# Altium PCB PCB3.PcbDoc (part 1 of 8)
Units mil, origin at the board's own origin, x right, y up, seen from the top; angles counter-clockwise.
Board outline 4763.78 x 6574.87 mil, 6 copper layers (Top Layer, GND, ADDR, DATA, VCC, Bottom Layer), stack 77.691 mil thick; 402 components, 418 nets, 1809 pads, 1202 vias.
Unrouted connection lines stored in the file: 117.
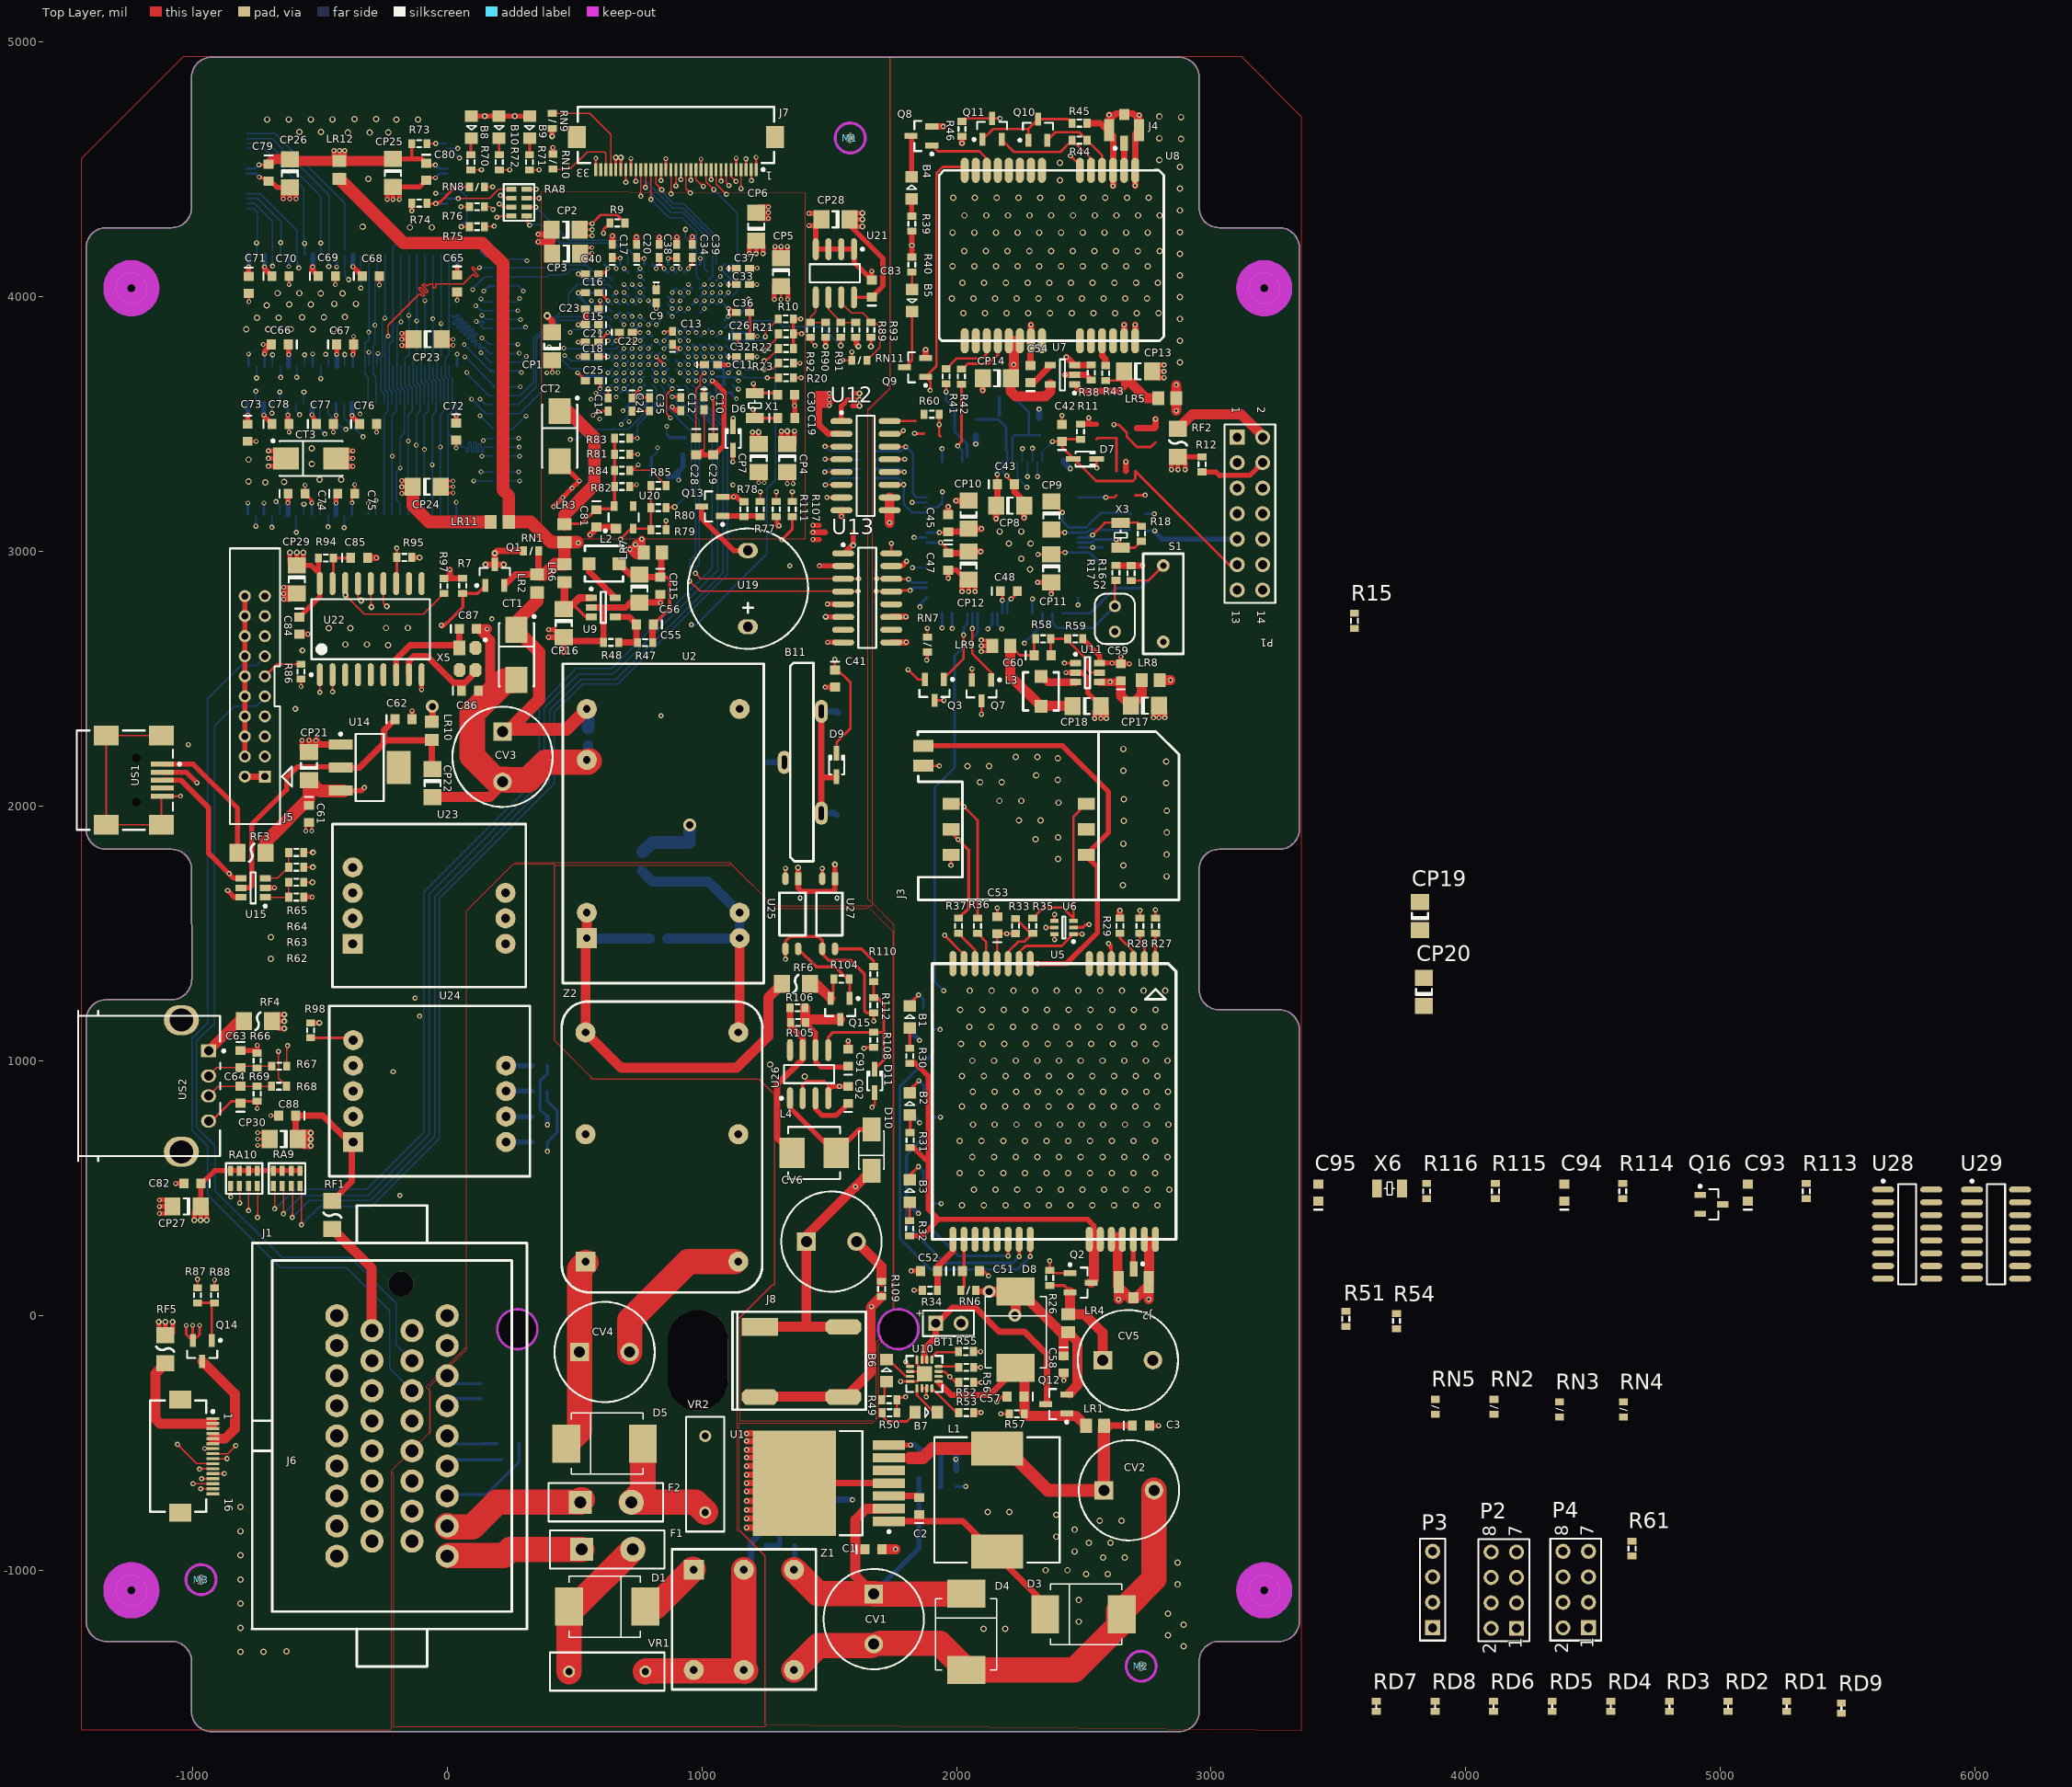
[diagram p0: Top Layer view]
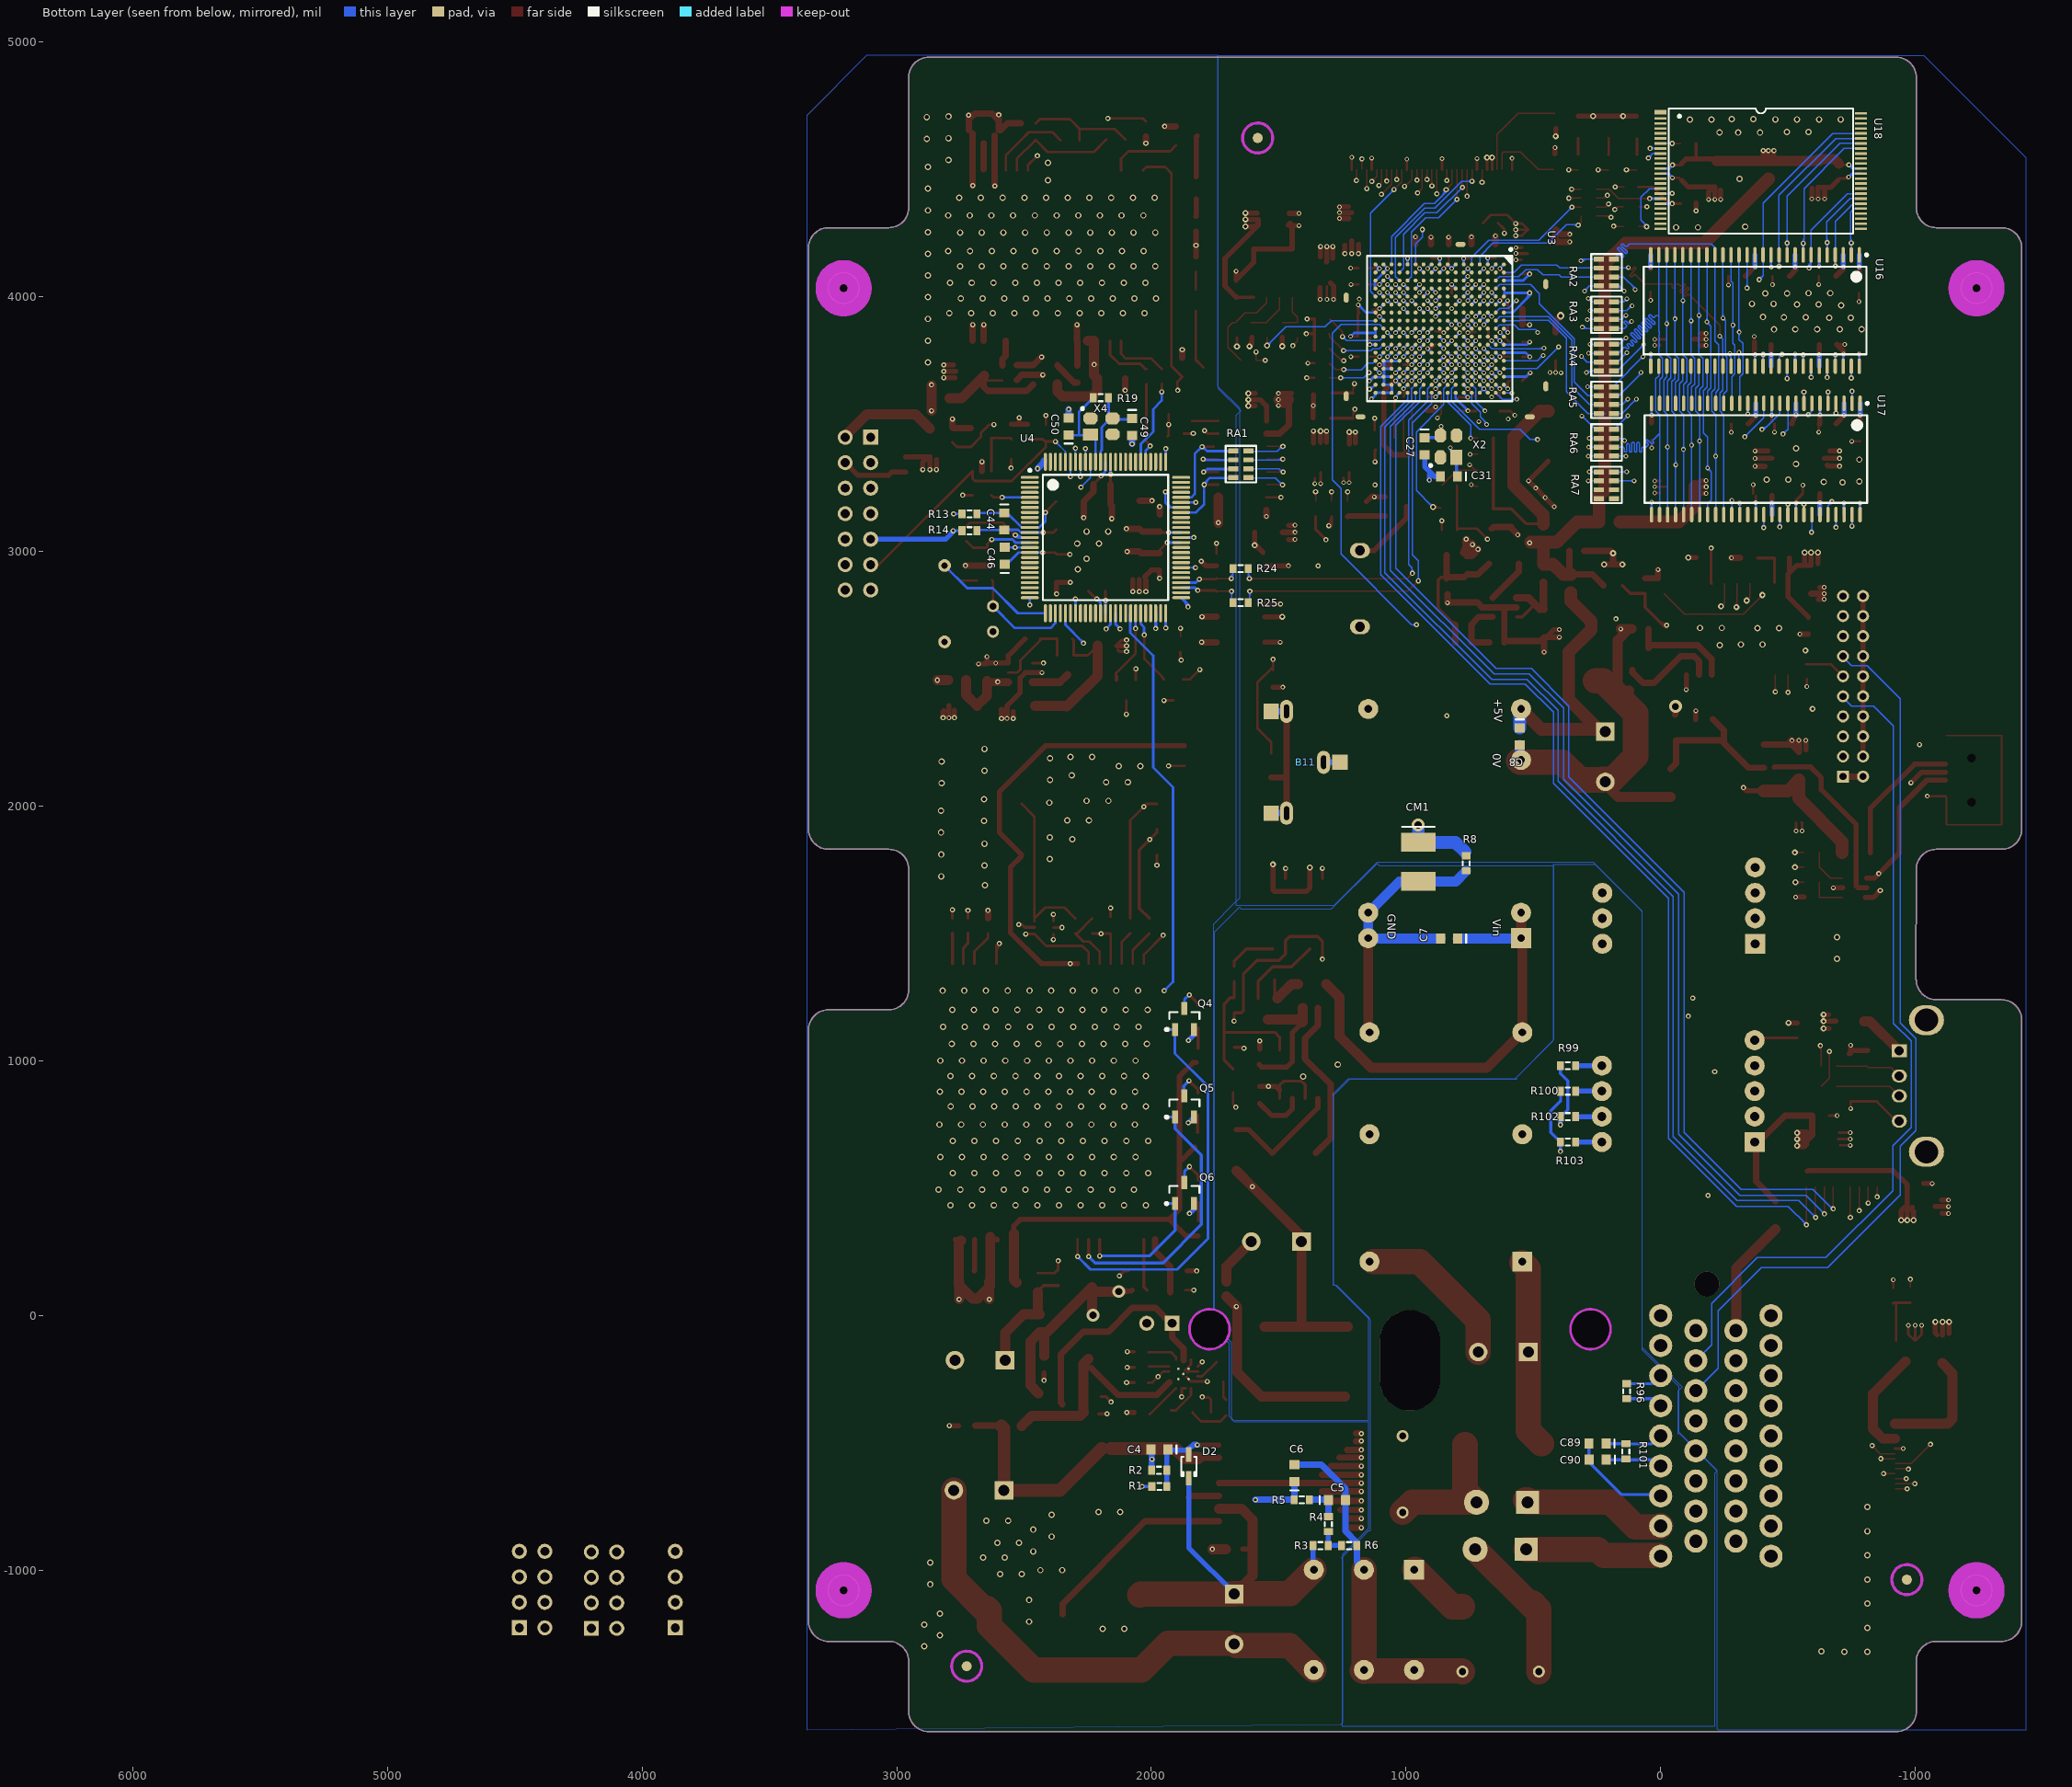
[diagram p1: Bottom Layer view, seen from below]
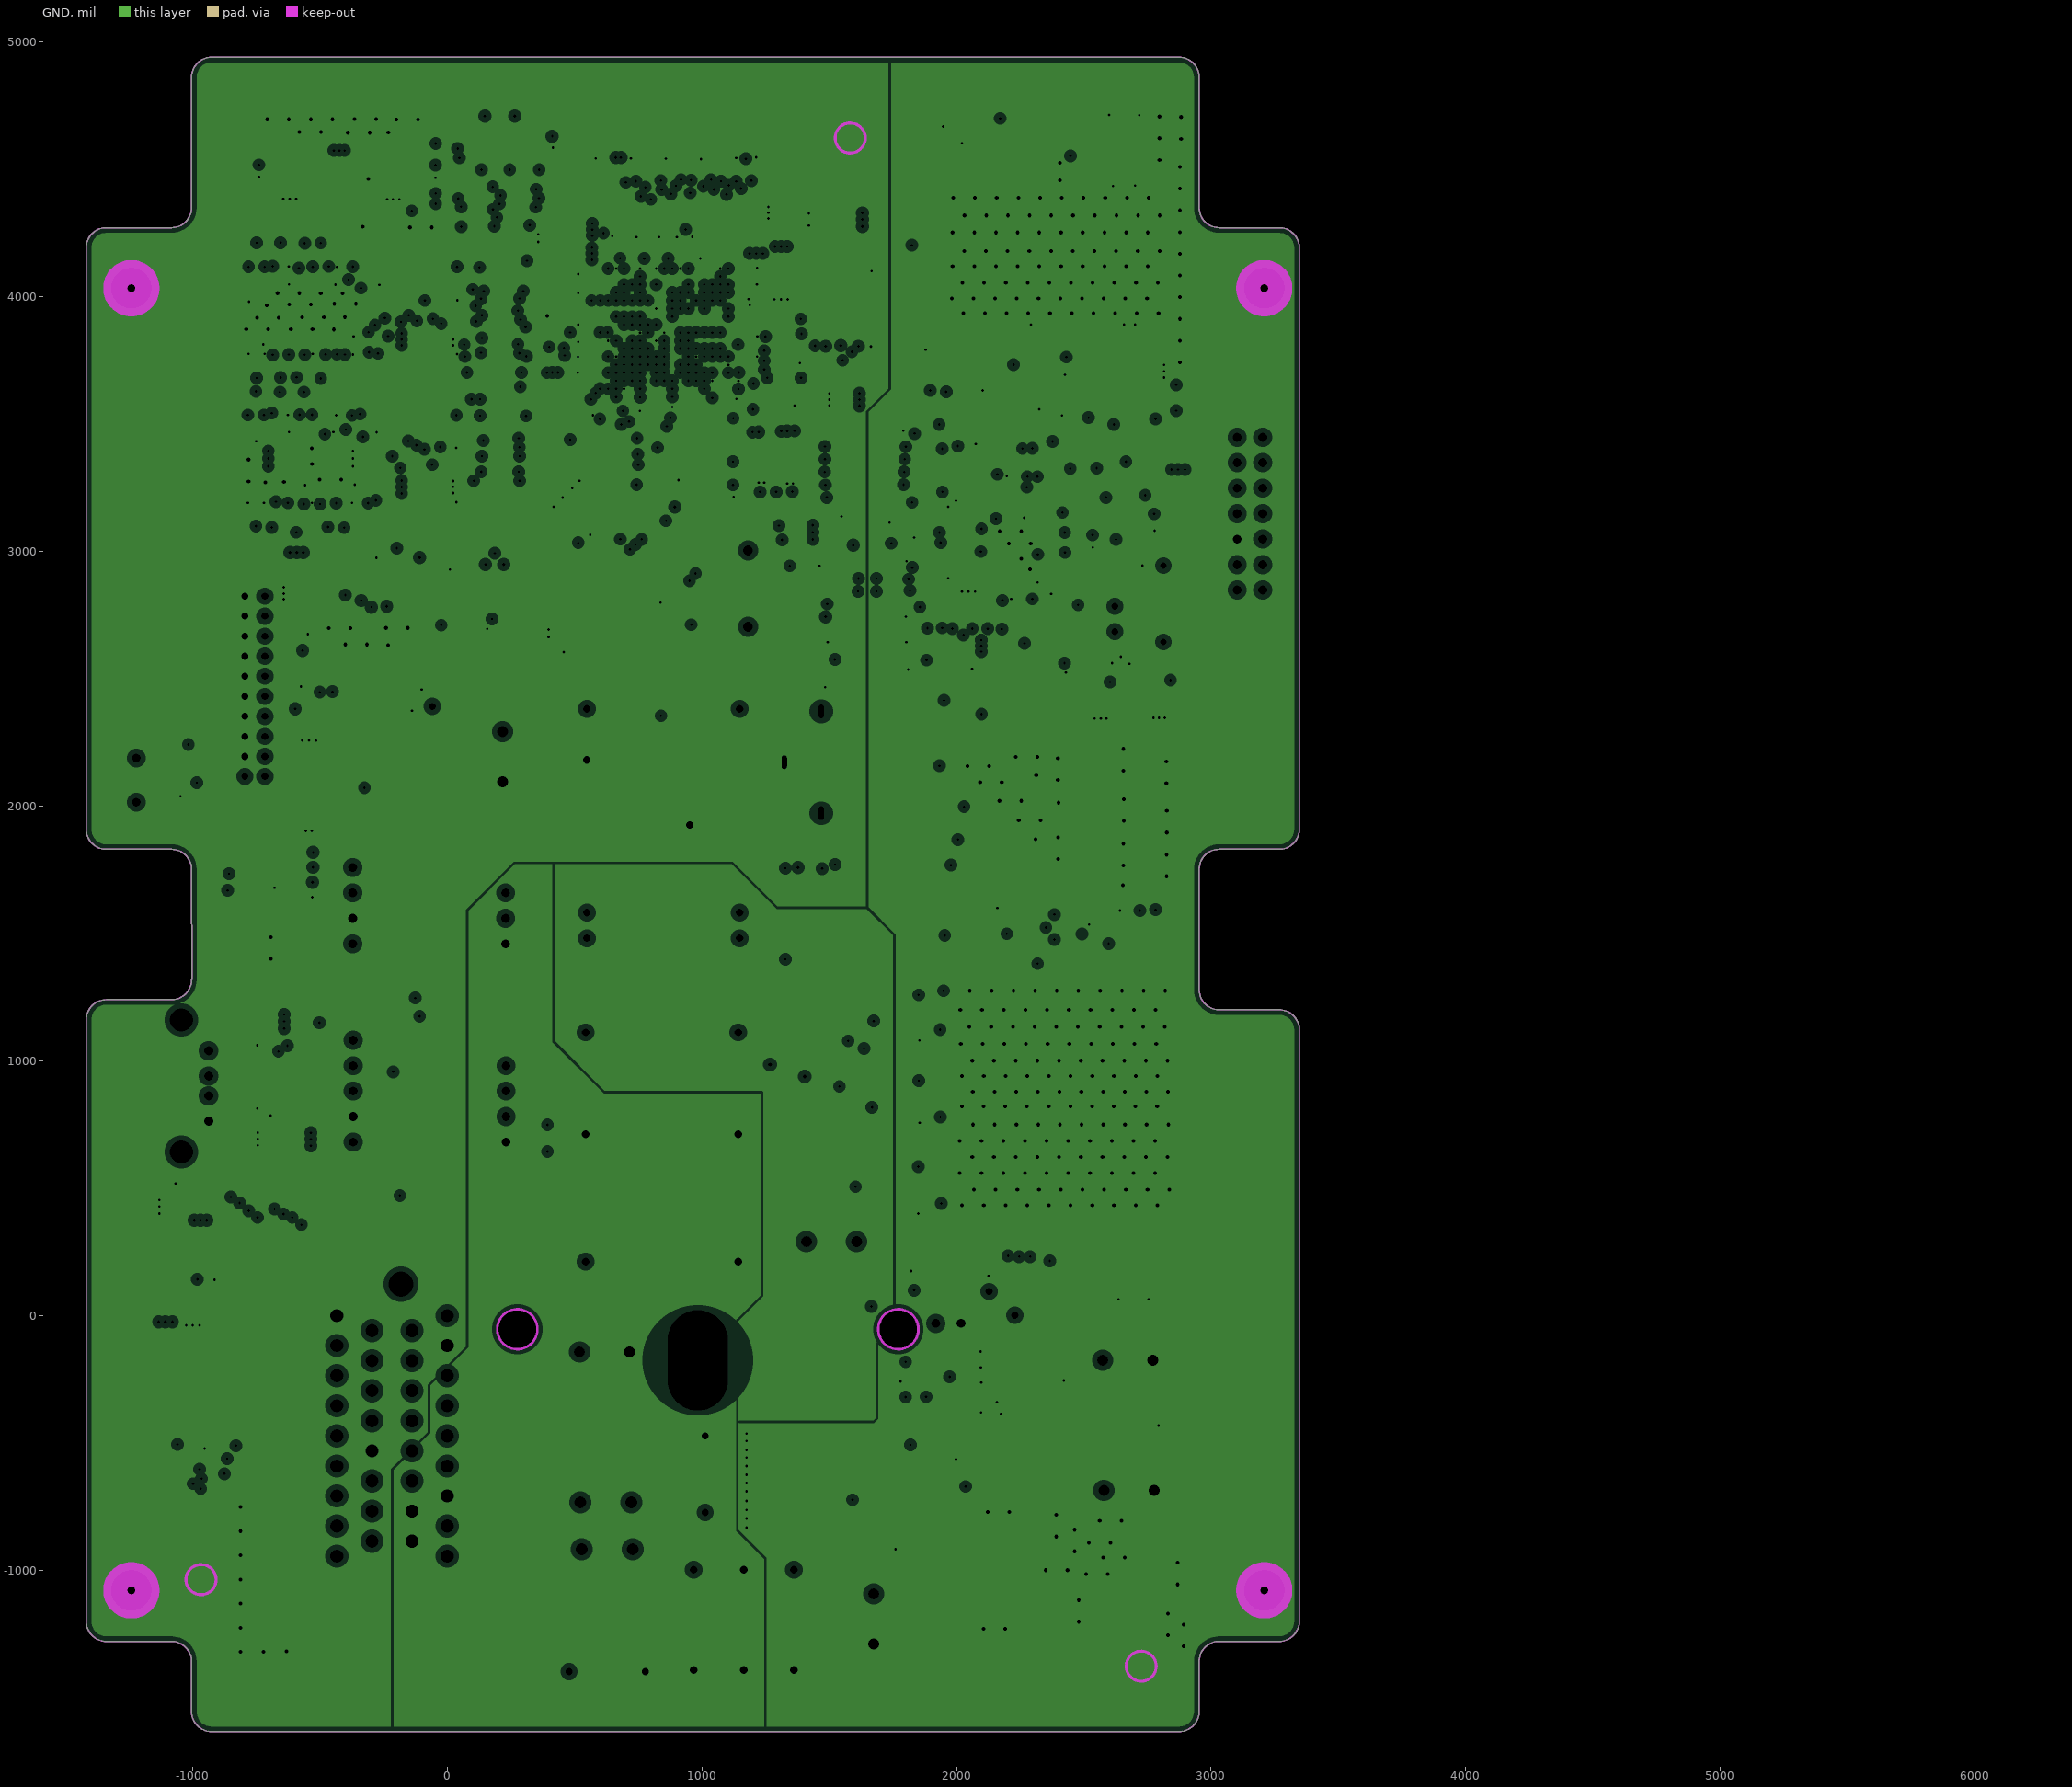
[diagram p2: GND, clearances drawn from the general rule]
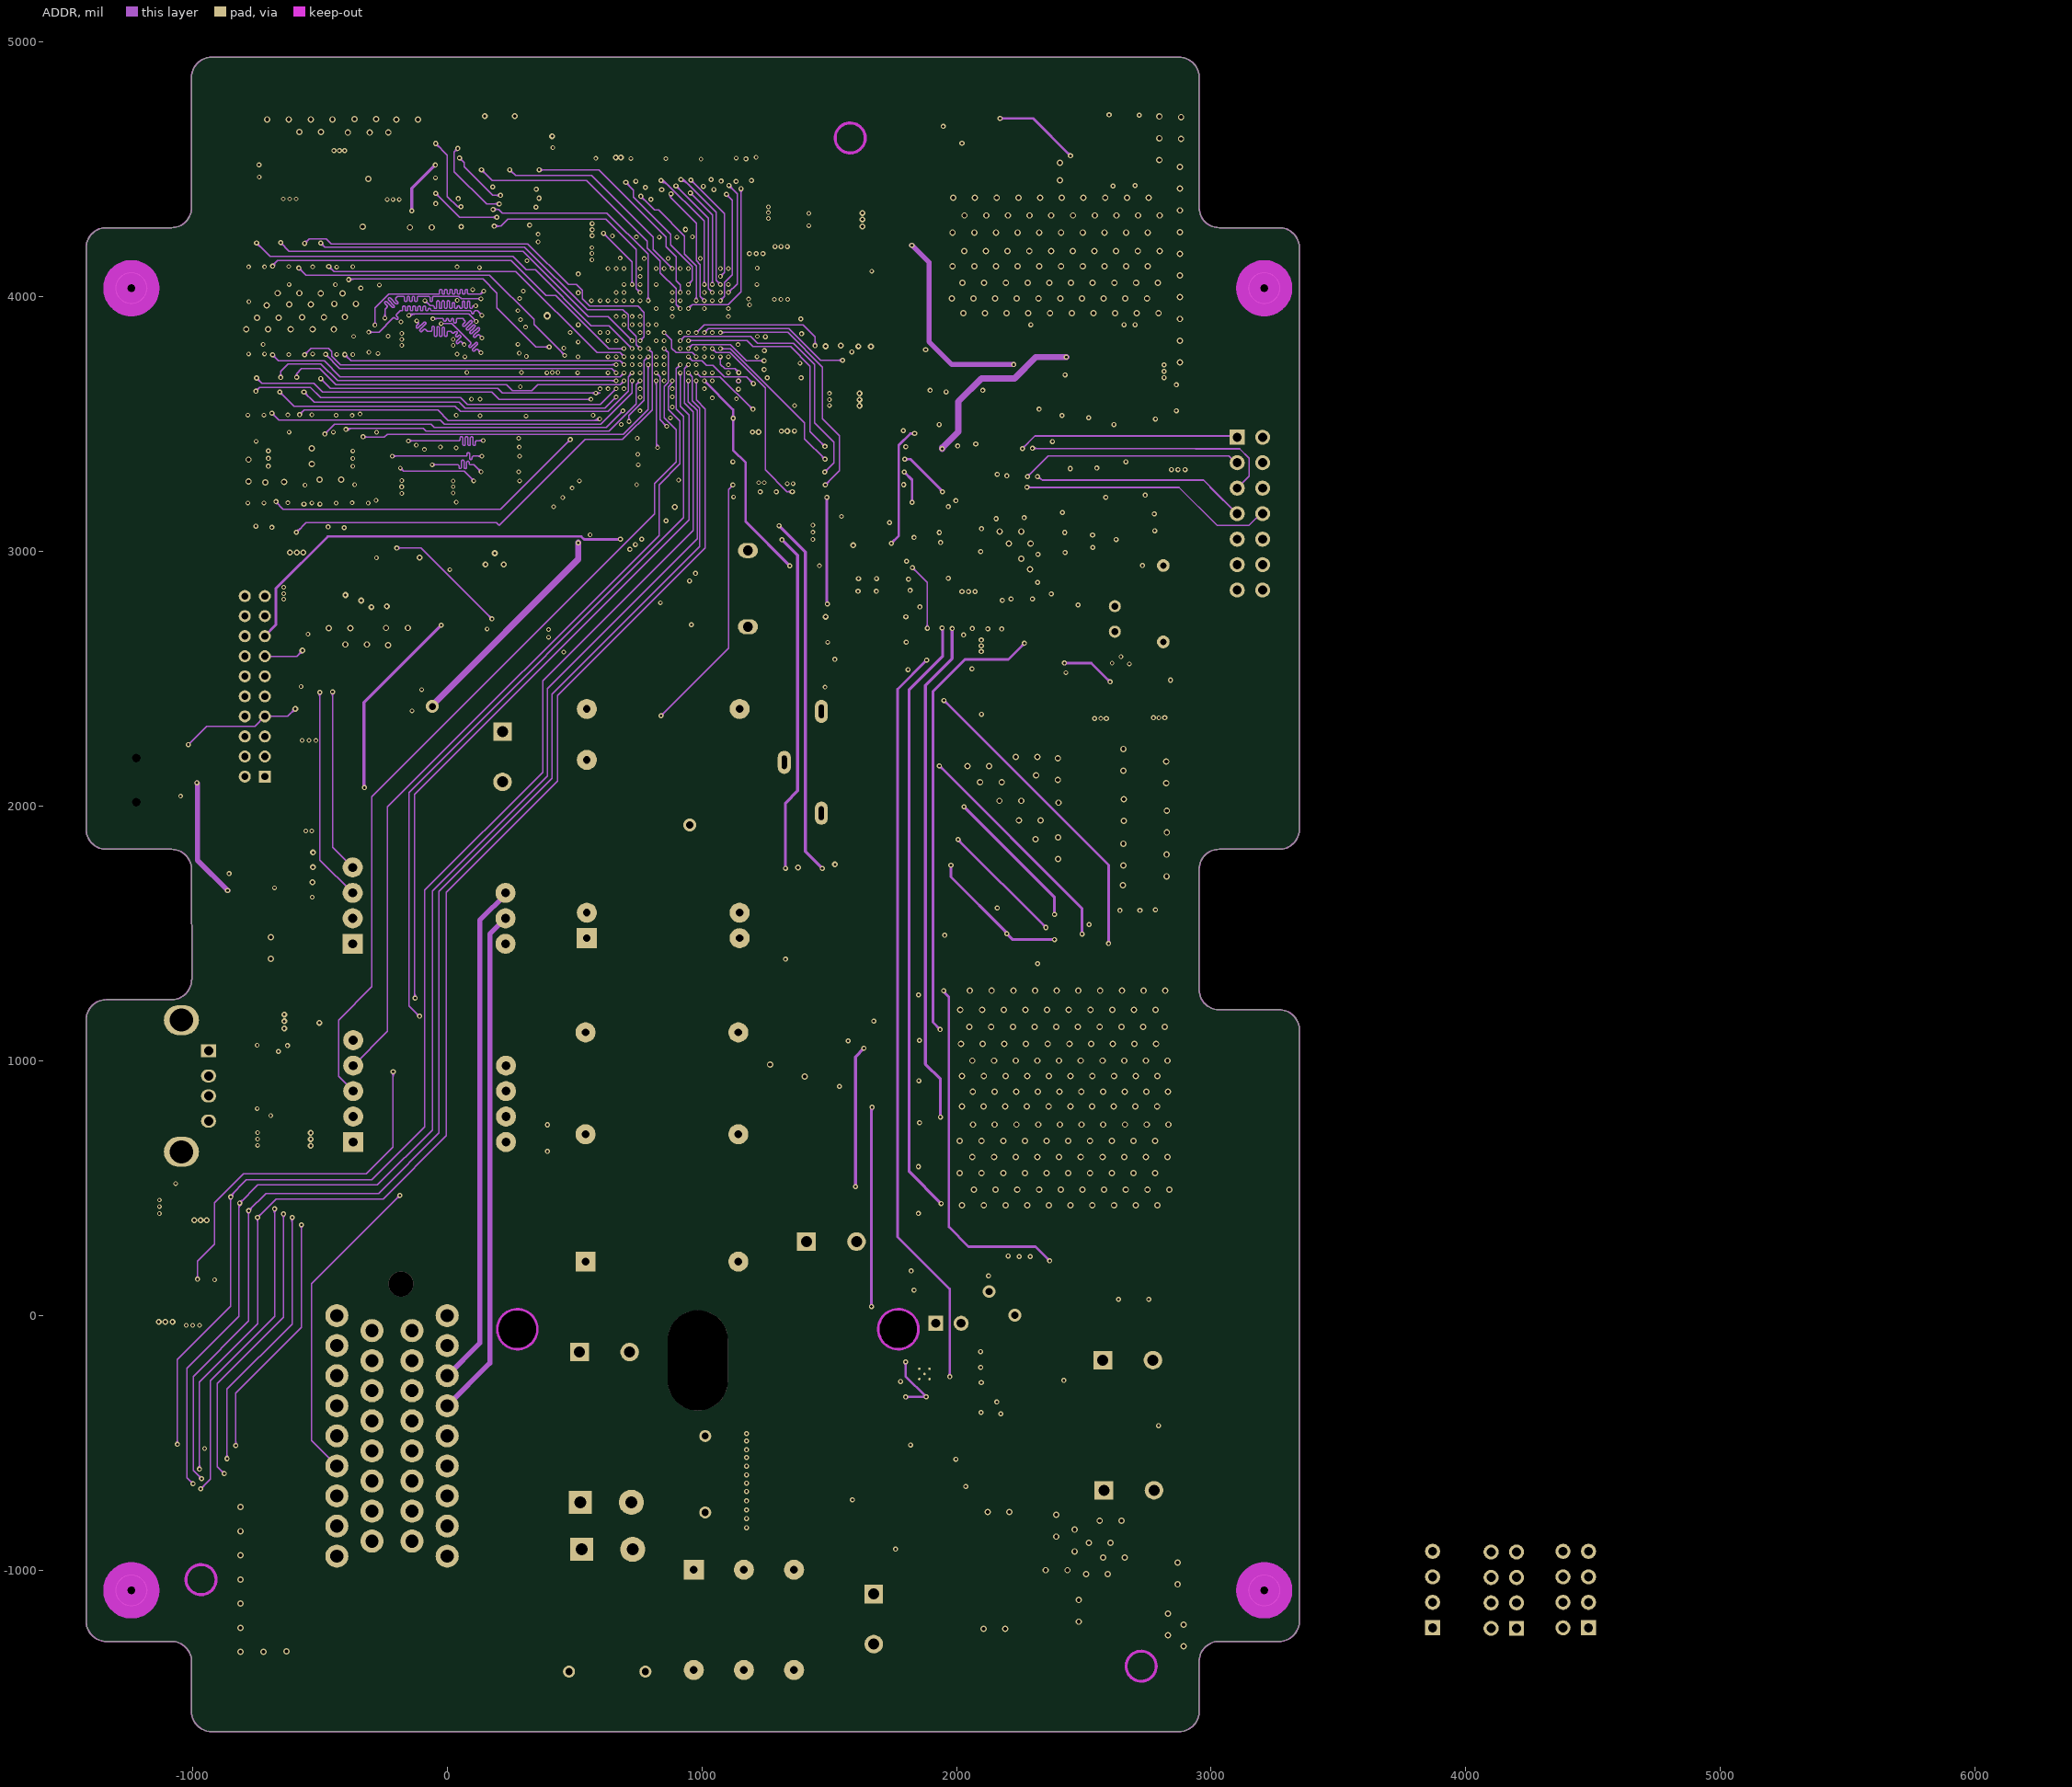
[diagram p3: ADDR]